# Allegro board ADALM-PLUTO Layout.brd (continued)
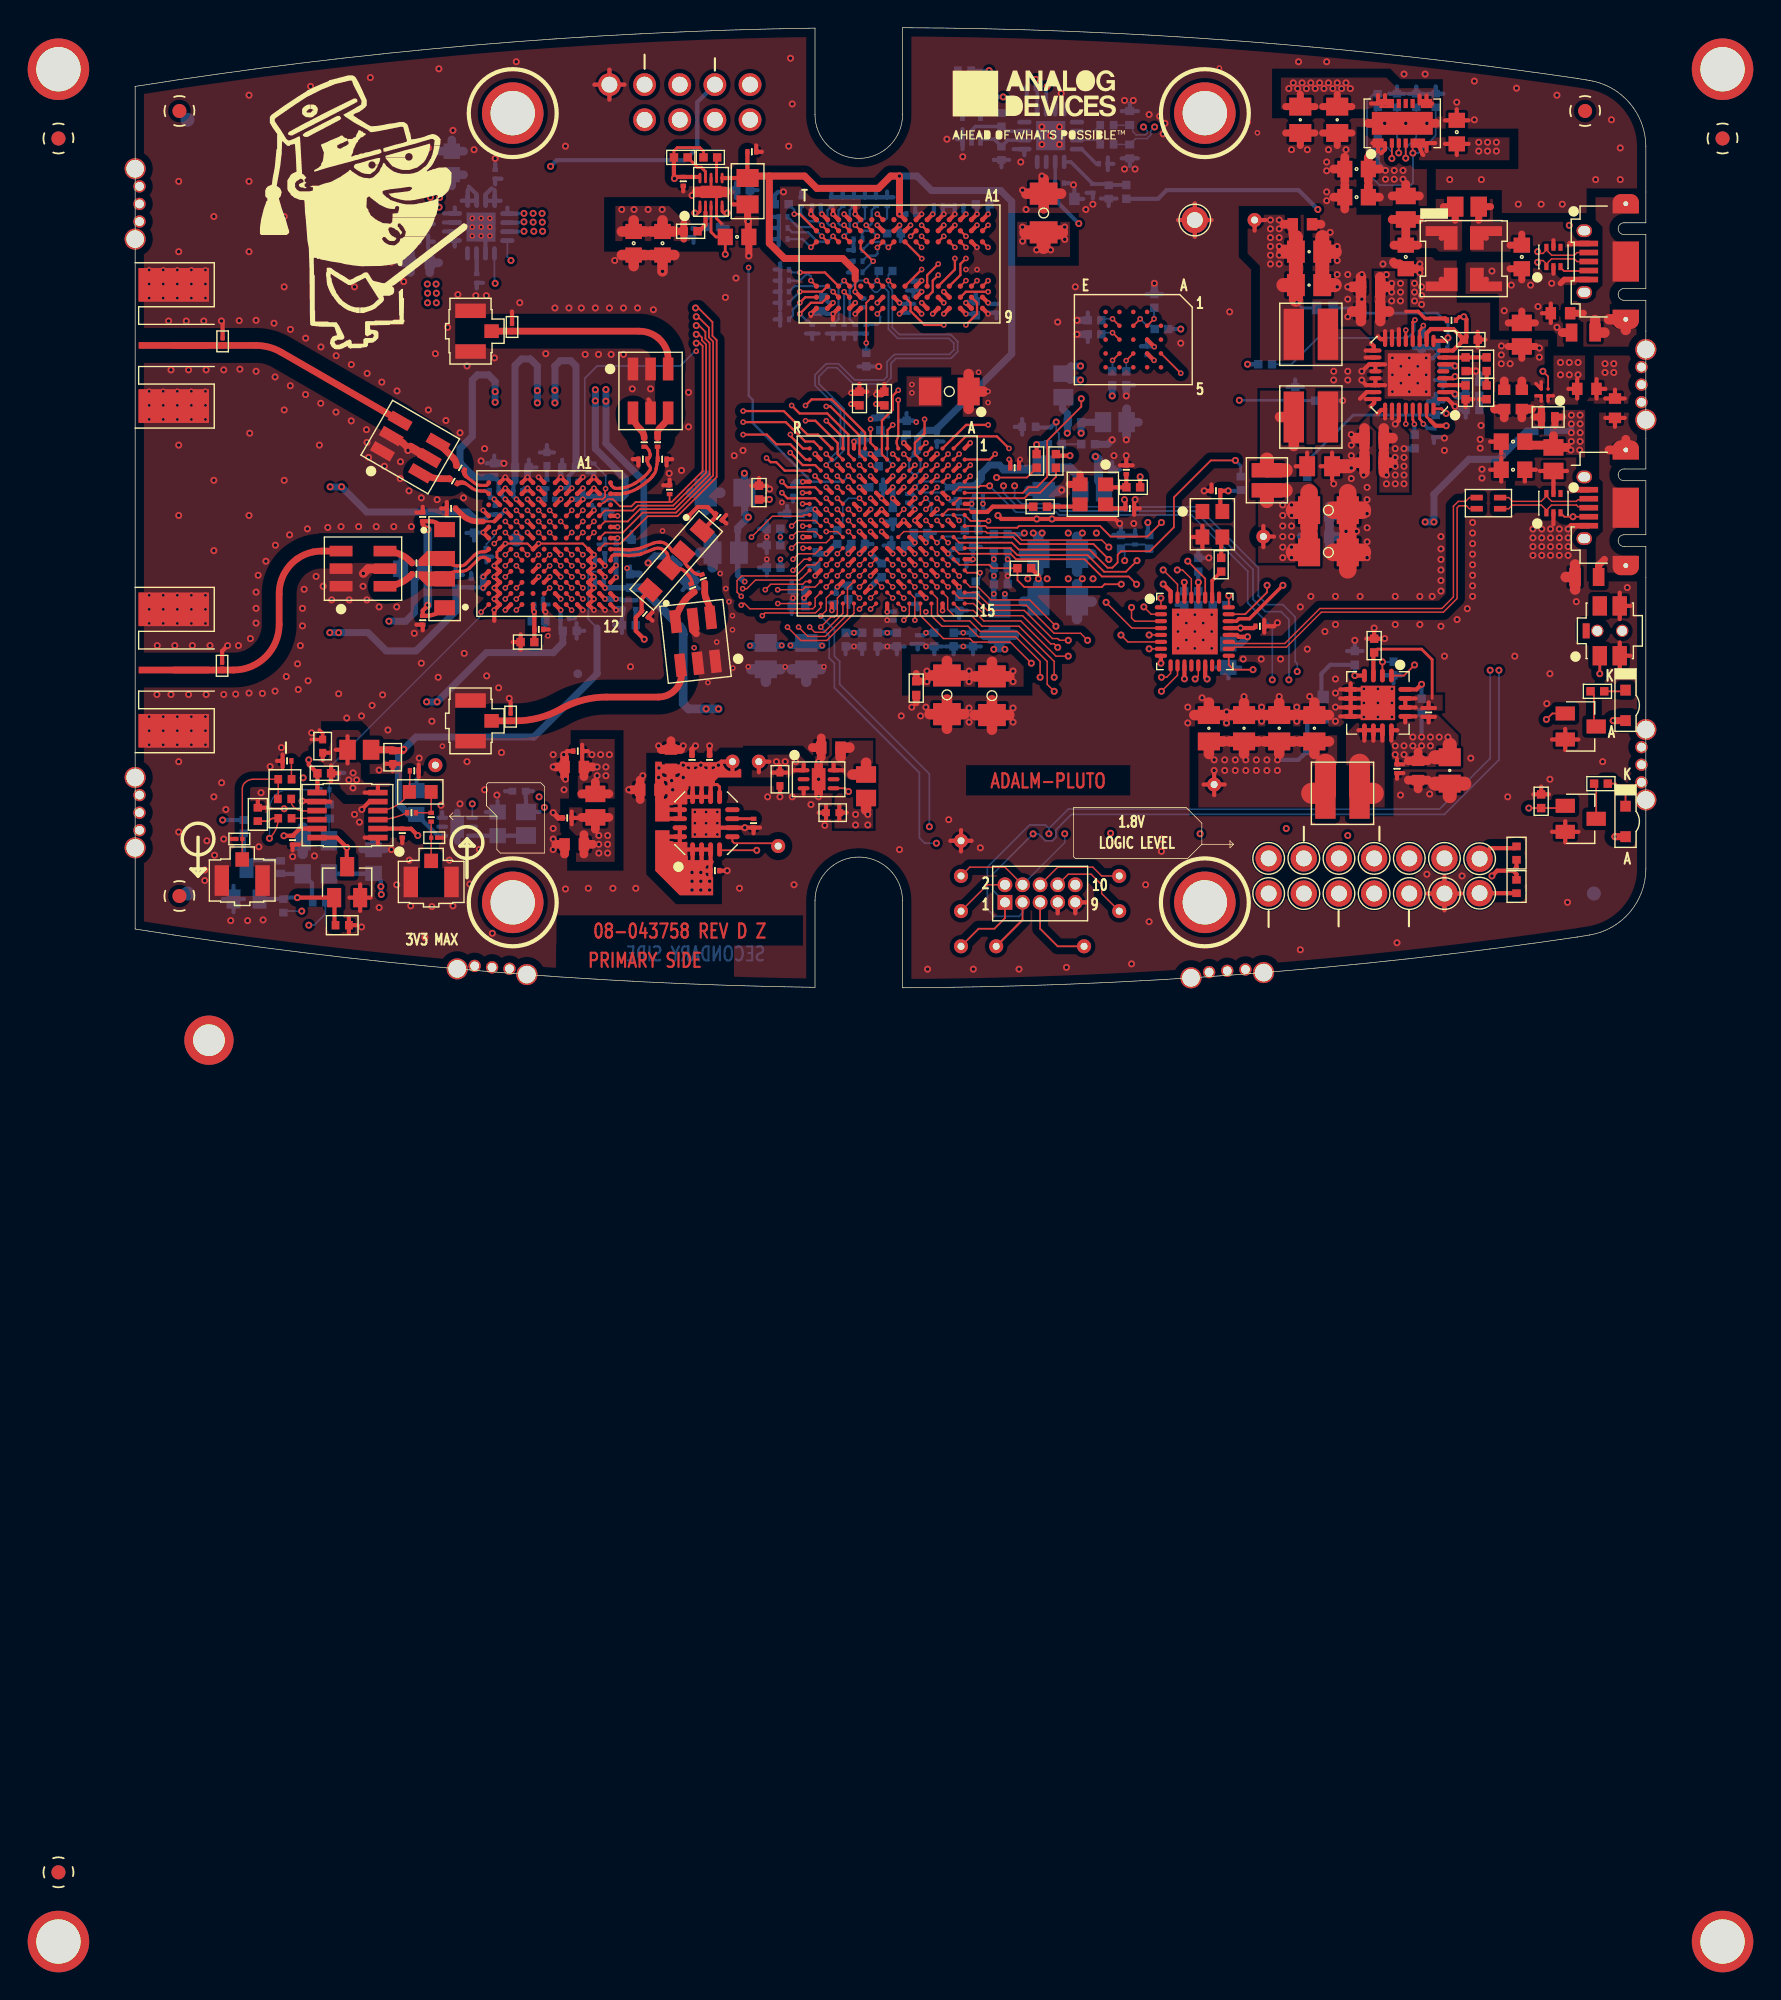
[diagram p0: board, top side]
## Routing (per net, layer and track width the routed paths; a pad name or vN(x,y) marks a point on that pad's centre or on a via; arc(x,y) is an arc through that point) (continued)
  BOTTOM w0.165: v2(51.22,51.07) 50.82,50.67 50.82,48.28 R28.1
DDR3_A13: length 30.8
  TOP w0.165: U2.T3 48.82,53.47 v2(48.82,53.47) ; U4.K2 52.33,38.55 52.33,39.89 50.23,41.98 v2(49.93,41.98)
  L5_SIG w0.165: v2(49.93,41.98) 48.83,40.88 48.83,40.15 47.83,39.15 46.72,39.15 46.23,39.65 46.23,45.35 46.63,45.75 46.63,46.15 46.23,46.55 46.23,46.83 46.42,47.03 46.63,47.03 46.83,47.23 46.83,47.5 46.63,47.7 46.42,47.7 46.23,47.9 46.23,48.18 46.42,48.37 46.63,48.37 46.83,48.57 46.83,48.85 46.63,49.05 46.42,49.05 46.23,49.24 46.23,49.52 46.42,49.72 46.63,49.72 46.83,49.92 46.83,50.2 46.63,50.39 46.35,50.39 46.23,50.52 46.23,51.06 48.03,52.86 48.2,52.86 v2(48.82,53.47)
  BOTTOM w0.165: R34.1 48.22,54.07 v2(48.82,53.47)
DDR3_A14: length 35.5
  TOP w0.165: v2(48.82,51.07) U2.T7 ; U4.K1 52.73,40.09 50.32,42.49 48.87,42.49 v2(48.43,42.05)
  L5_SIG w0.165: v2(48.82,51.07) 49.23,50.66 49.23,50.26 48.92,49.95 48.74,49.95 48.53,50.16 48.53,50.46 48.13,50.86 48.13,51.16 48.83,51.86 49.08,51.86 49.59,51.36 49.83,51.36 50.03,51.56 50.03,51.87 49.57,52.32 49.57,52.6 49.73,52.76 50.03,52.76 50.23,52.56 50.5,52.56 50.71,52.78 50.71,53.24 50.5,53.45 49.62,53.45 48.24,52.07 47.84,52.07 47.61,51.84 47.61,51.5 47.38,51.27 47.04,51.27 46.83,51.06 46.83,50.86 47.22,50.47 47.22,45.38 47.03,45.19 46.82,45.19 46.63,45 46.63,44.72 46.82,44.52 47.03,44.52 47.23,44.32 47.23,44.04 47.03,43.85 46.82,43.85 46.63,43.65 46.63,42.55 46.79,42.39 47.07,42.39 47.43,42.75 48.3,42.75 48.43,42.63 v2(48.43,42.05)
  BOTTOM w0.165: R29.1 48.02,51.07 48.46,51.51 48.69,51.51 48.82,51.39 v2(48.82,51.07)
DDR3_BA0: length 34
  TOP w0.165: U2.M2 v2(52.02,55.07) ; U4.M6 v2(50.73,35.35)
  L5_SIG w0.165: v2(52.02,55.07) 52.58,55.63 52.58,57.58 52.77,57.78 53.02,57.78 53.22,57.57 53.22,53.15 53.39,52.98 53.64,52.98 53.87,52.75 53.87,52.3 53.57,51.99 52.14,51.99 51.84,51.69 51.84,50.74 51.62,50.52 51.62,50.04 50.93,49.36 50.93,48.28 50.82,48.17 50.82,44.33 50.6,44.11 50.13,44.11 49.93,43.92 49.93,43.64 50.13,43.44 50.93,43.44 51.13,43.24 51.13,39.55 51.93,38.75 51.93,35.94 51.73,35.75 51.13,35.75 v2(50.73,35.35)
  BOTTOM w0.165: v2(52.02,55.07) 52.32,55.37 52.52,55.37 52.72,55.57 R35.1
DDR3_BA1: length 30.5
  TOP w0.165: U4.R1 48.25,38.95 47.34,39.86 v2(47.34,39.96) ; v2(51.22,50.27) U2.N8
  L6_SIG w0.165: v2(47.34,39.96) 47.34,40.34 47.14,40.53 46.28,40.53 46.11,40.36 46.11,37.76 46.67,37.2 47.05,37.2 47.33,37.47 47.33,37.95 48.23,38.85 48.23,39.57 48.51,39.86 49.11,39.86 49.53,40.27 49.53,42.33 49.33,42.52 47.44,42.52 47.21,42.75 47.21,42.97 47.44,43.2 47.83,43.2 48,43.36 48,43.68 47.76,43.91 47.34,43.91 47.11,44.14 47.11,44.36 47.34,44.59 47.76,44.59 48.13,44.95 48.13,45.78 50,47.65 50.8,47.65 51.22,48.07 v2(51.22,50.27)
  BOTTOM w0.165: R30.1 51.22,47.89 v2(51.22,50.27)
DDR3_BA2: length 28.7
  TOP w0.165: v2(53.32,52.47) 52.42,53.37 U2.M3 ; U4.N6 v2(49.93,35.35)
  L6_SIG w0.165: v2(49.93,35.35) 50.33,35.75 50.98,35.75 51.13,35.9 51.13,36.38 50.97,36.55 50.57,36.55 50.33,36.78 50.33,38.97 51.02,39.66 51.41,39.66 51.72,39.96 51.72,40.86 51.32,41.26 51.32,43.66 50.63,44.35 50.33,44.35 49.93,43.95 49.63,43.95 49.43,44.15 49.43,45.18 50.7,46.45 52.13,46.45 52.33,46.65 52.33,47.15 53.21,48.04 53.21,51.36 54.02,52.17 54.02,52.57 53.82,52.76 53.61,52.76 v2(53.32,52.47)
  BOTTOM w0.165: v2(53.32,52.47) 52.54,51.69 R36.1
DDR3_CAS#: length 28.5
  TOP w0.165: v2(53.62,53.46) 54.02,53.86 U2.K3 ; v2(48.21,35.75) U4.R5
  L6_SIG w0.165: v2(53.62,53.46) 52.82,52.66 52.82,51.74 52.22,51.14 52.22,50.87 52.73,50.36 52.73,48.28 51.32,46.87 50.52,46.87 49.01,45.36 49.01,43.67 49.22,43.46 50.52,43.46 50.83,43.15 50.83,40.17 49.53,38.87 49.53,37.8 49.36,37.64 48.81,37.64 48.65,37.47 48.65,36.43 48.93,36.15 49.3,36.15 49.43,36.02 49.43,35.45 49.16,35.18 48.78,35.18 v2(48.21,35.75)
  BOTTOM w0.165: R32.1 52.94,52.87 53.49,52.87 53.63,53.01 53.63,53.45 v2(53.62,53.46)
DDR3_CK_N: length 32.4
  TOP w0.127: U2.K7 54.02,50.67 v2(53.61,51.07) ; U4.N2 v2(49.93,38.55)
  BOTTOM w0.127: v2(49.93,38.55) 50.18,38.3 50.3,38.3 50.95,38.95 50.95,41.66 49.12,43.5 49.12,44.26 49.92,45.06 50.81,45.06 51.99,43.89 54.06,43.89 54.32,44.15 54.32,45.21 54.85,45.74 58.82,45.74 59.14,46.06 59.14,46.55 58.79,46.9 55.09,46.9 54.42,47.57 54.42,50.26 54.12,50.56 53.94,50.56 53.61,50.23 53.43,50.23 53.22,50.44 53.22,50.68 v2(53.61,51.07) 53.61,51.66 R142.2
DDR3_CK_P: length 31.5
  TOP w0.127: U2.J7 v2(54.42,51.07) ; U4.N3 v2(49.93,37.75)
  BOTTOM w0.127: R142.1 54.42,51.47 v2(54.42,51.07) 54.42,50.66 54.7,50.38 54.7,47.69 55.21,47.18 58.91,47.18 59.42,46.66 59.42,45.94 58.94,45.46 54.97,45.46 54.6,45.09 54.6,44.03 54.18,43.61 51.87,43.61 50.7,44.78 50.03,44.78 49.4,44.15 49.4,43.62 51.23,41.78 51.23,38.84 50.41,38.02 50.2,38.02 v2(49.93,37.75)
DDR3_CKE: length 34.9
  TOP w0.165: v2(53.62,48.67) U2.K9 ; U4.L3 v2(51.53,37.75)
  L6_SIG w0.165: v2(51.53,37.75) U4.L3 53.4,37.35 53.63,37.58 53.63,37.93 53.41,38.15 52.83,38.15 52.64,38.35 51.03,38.35 50.86,38.52 50.86,38.79 51.02,38.96 53.4,38.96 53.64,39.2 53.64,39.58 53.38,39.85 52.33,39.85 52.13,40.04 52.13,40.32 52.33,40.52 52.53,40.52 52.73,40.72 52.73,41.01 52.53,41.21 52.13,41.21 51.93,41.4 51.93,41.68 52.13,41.88 53,41.88 53.13,42.01 53.13,42.42 53,42.55 52.33,42.55 52.13,42.75 52.13,43.05 52.3,43.22 53.28,43.22 53.43,43.38 53.43,43.75 53.28,43.9 51.73,43.9 51.53,44.09 51.53,44.37 51.73,44.57 52.93,44.57 53.13,44.77 53.13,45.05 52.93,45.24 51.32,45.24 51.03,44.95 50.73,44.95 50.53,45.15 50.53,45.45 50.99,45.92 53.29,45.92 53.62,46.24 v2(53.62,48.67)
  BOTTOM w0.165: v2(53.62,48.67) 53.82,48.47 53.82,48.07 53.63,47.88 R38.1
DDR3_CS#: length 29.4
  TOP w0.165: U2.L2 v2(52.82,55.07) ; v2(43.92,39.95) 45.63,39.95 46.32,39.25 47.33,39.25 48.44,38.15 U4.R2
  L6_SIG w0.165: v2(52.82,55.07) 52.23,54.67 51.01,54.67 50.82,54.48 50.82,53.78 48.11,51.07 46.31,51.07 42.92,47.68 42.92,40.95 v2(43.92,39.95)
  BOTTOM w0.165: v2(52.82,55.07) 53.09,55.07 53.22,55.2 53.22,56.15 R39.1
DDR3_DM0: length 26.5
  TOP w0.165: v2(59.22,52.67) 59.22,51.87 U2.E7 ; U4.B1 60.01,39.82 62.25,39.82 v2(63.13,38.95)
  L6_SIG w0.165: v2(59.22,52.67) 59.62,52.27 62.63,52.27 63.52,51.37 63.52,50.49 63.2,50.16 63.2,49.89 63.4,49.69 63.68,49.69 63.9,49.91 64.18,49.91 64.53,49.56 64.53,40.35 v2(63.13,38.95)
DDR3_DM1: length 23.1
  TOP w0.165: v2(59.22,53.47) U2.D3 ; U4.D3 v2(57.93,37.75)
  L5_SIG w0.165: v2(59.22,53.47) 58.52,52.78 58.52,51.05 58.02,50.54 58.02,48.16 55.63,45.78 55.63,42.35 54.23,40.95 54.23,37.55 54.42,37.35 57.53,37.35 v2(57.93,37.75)
DDR3_DQ0: length 28.4
  TOP w0.165: v2(58.42,54.27) 58.42,54.27 U2.E3 ; U4.D4 v2(57.93,36.95)
  L6_SIG w0.165: v2(57.93,36.95) 58.33,36.55 61.23,36.55 62.63,37.95 62.63,39.15 64.13,40.65 64.13,47.76 63.79,48.1 63.79,48.38 63.96,48.55 63.96,48.83 63.76,49.02 63.48,49.02 63.31,48.85 63.03,48.85 62.63,49.26 62.63,50.76 61.92,51.47 59.72,51.47 58.77,52.42 58.77,53.67 58.99,53.88 58.99,54.09 58.81,54.27 v2(58.42,54.27)
DDR3_DQ1: length 24.7
  TOP w0.165: U4.A2 61.73,38.15 v2(62.13,38.55) ; v2(58.02,52.27) 57.22,51.47 U2.F7
  L6_SIG w0.165: v2(58.02,52.27) 59.62,50.67 61.92,50.67 62.12,50.47 62.12,48.6 62.29,48.43 62.77,48.43 62.93,48.26 62.93,47.93 62.77,47.77 62.24,47.77 62.07,47.6 62.07,47.27 62.24,47.11 63.47,47.11 63.63,46.94 63.63,40.97 63.32,40.66 62.72,40.66 62.13,40.07 v2(62.13,38.55)
DDR3_DQ2: length 23.2
  TOP w0.165: U2.F2 v2(56.82,55.07) ; U4.C4 v2(58.73,36.95)
  L6_SIG w0.165: v2(58.73,36.95) 58.33,37.35 56.94,37.35 56.73,37.56 56.73,39.05 55.13,40.65 55.13,41.15 54.73,41.55 54.73,43.15 54.41,43.47 54.41,49.87 54.82,50.27 54.82,53.68 55.81,54.67 56.42,54.67 v2(56.82,55.07)
DDR3_DQ3: length 28.4
  TOP w0.165: U2.F8 57.62,50.27 57.62,51.07 v2(58.02,51.47) ; v2(61.63,40.65) 60.03,40.65 U4.C1
  L6_SIG w0.165: v2(61.63,40.65) 62.23,41.25 62.23,41.69 62.4,41.86 62.97,41.86 63.14,42.02 63.14,42.35 62.97,42.52 62.4,42.52 62.23,42.68 62.23,43.01 62.4,43.18 62.97,43.18 63.14,43.34 63.14,43.67 62.97,43.84 62.2,43.84 62.03,44 62.03,44.33 62.2,44.5 62.97,44.5 63.14,44.66 63.14,44.99 62.97,45.16 61.62,45.16 61.42,45.36 61.42,45.66 61.65,45.89 62.89,45.89 63.13,46.13 63.13,46.43 62.93,46.63 61.35,46.63 60.53,47.45 60.53,48.01 60.69,48.18 60.98,48.18 61.15,48.34 61.15,48.67 60.98,48.84 60.69,48.84 60.53,49 60.53,49.86 60.33,50.06 59.33,50.06 58.02,51.37 v2(58.02,51.47)
DDR3_DQ4: length 21.8
  TOP w0.165: v2(56.83,52.66) 55.62,53.87 U2.H3 ; v2(59.53,36.95) U4.B4
  L6_SIG w0.165: v2(59.53,36.95) 59.93,37.35 60.93,37.35 61.34,37.76 61.34,39.34 60.53,40.15 60.53,45.05 60.22,45.37 59.82,45.37 59.52,45.67 59.52,46.06 58.02,47.57 58.02,50.77 57.62,51.17 57.62,52.47 57.43,52.66 v2(56.83,52.66)
DDR3_DQ5: length 22.8
  TOP w0.165: v2(60.33,36.95) U4.A4 ; v2(58.42,47.87) 57.02,47.87 56.02,48.87 56.02,49.47 U2.H8
  L6_SIG w0.165: v2(60.33,36.95) 61.03,36.95 61.73,37.65 61.73,39.65 61.03,40.35 61.03,40.99 61.19,41.16 61.52,41.16 61.69,41.32 61.69,41.65 61.52,41.82 61.19,41.82 61.03,41.98 61.03,43.93 61.19,44.1 61.52,44.1 61.69,44.26 61.69,44.59 61.52,44.76 61.19,44.76 61.03,44.92 61.03,45.26 60.69,45.6 60.69,45.83 60.92,46.07 60.92,46.3 60.69,46.54 60.45,46.54 60.22,46.3 59.99,46.3 59.02,47.27 59.02,47.47 59.47,47.91 59.47,48.52 59.32,48.67 58.96,48.67 58.82,48.52 58.82,48.27 v2(58.42,47.87)
DDR3_DQ6: length 23.9
  TOP w0.165: U4.C3 v2(58.73,37.75) ; U2.G2 v2(56.02,54.27)
  L6_SIG w0.165: v2(58.73,37.75) 58.33,38.15 57.63,38.15 57.53,38.26 57.53,39.51 57.52,39.52 57.52,39.86 57.12,40.26 56.22,40.26 55.63,40.85 55.63,43.43 55.31,43.76 54.94,43.76 54.81,43.89 54.81,44.29 55.01,44.49 55.62,44.49 55.81,44.69 55.81,44.97 55.62,45.16 55.01,45.16 54.81,45.36 54.81,45.64 55.01,45.84 55.22,45.84 55.41,46.03 55.41,46.31 55.22,46.51 55.01,46.51 54.81,46.71 54.81,46.99 55.01,47.18 55.22,47.18 55.41,47.38 55.41,47.77 55.22,47.97 55.02,47.97 54.81,48.17 54.81,49.67 55.23,50.09 55.23,53.49 v2(56.02,54.27)
DDR3_DQ7: length 21.8
  TOP w0.165: U2.H7 55.62,50.67 v2(56.82,51.87) ; U4.A3 v2(60.34,37.75)
  L6_SIG w0.165: v2(56.82,51.87) 57.22,51.47 57.22,50.88 57.52,50.57 57.52,49.37 57.22,49.07 57.22,48.21 57.09,48.09 56.94,48.09 56.72,47.87 56.72,47.57 56.88,47.41 57.47,47.41 57.73,47.15 57.73,46.06 57.93,45.85 58.11,45.85 58.43,46.17 58.71,46.17 58.91,45.97 58.91,45.69 58.59,45.38 58.59,45.1 59.53,44.16 59.53,42.88 59.73,42.69 59.83,42.69 60.03,42.49 60.03,42.21 59.83,42.01 59.73,42.01 59.53,41.82 59.53,41.54 59.73,41.34 59.83,41.34 60.03,41.14 60.03,40.86 59.83,40.67 59.73,40.67 59.53,40.47 59.53,39.45 60.83,38.15 60.83,37.85 60.73,37.75 v2(60.34,37.75)
DDR3_DQ8: length 28.2
  TOP w0.165: v2(60.02,52.67) 59.62,52.27 59.62,51.47 U2.D7 ; v2(57.13,39.35) 57.13,39.35 56.73,38.95 U4.E1
  L5_SIG w0.165: v2(57.13,39.35) 57.54,39.76 62.12,39.76 64.22,41.86 64.22,50.67 64.02,50.87 63.62,50.87 63.44,50.68 63.11,50.68 62.92,50.87 62.92,51.13 63.35,51.56 63.35,51.94 62.63,52.66 61.5,52.66 61.23,52.38 61.23,51.71 60.99,51.47 60.62,51.47 60.42,51.67 60.42,52.27 v2(60.02,52.67)
DDR3_DQ9: length 25.8
  TOP w0.165: v2(57.13,38.55) U4.D1 ; v2(60.02,53.47) U2.C3
  L5_SIG w0.165: v2(60.02,53.47) 60.43,53.06 61.91,53.06 62.22,53.37 62.52,53.37 64.72,51.17 64.72,50.35 64.62,50.25 64.62,49.89 64.92,49.59 64.92,41.96 62.32,39.36 61.14,39.36 60.63,38.85 60.03,38.85 59.83,39.05 57.63,39.05 v2(57.13,38.55)
DDR3_DQ10: length 28.6
  TOP w0.165: v2(61.62,50.26) 60.01,50.26 U2.C8 ; U4.E2 56.33,38.55 56.33,39.35 57.03,40.05 v2(57.03,41.05)
  L5_SIG w0.165: v2(61.62,50.26) 62.12,49.77 62.12,48.67 62.34,48.45 63.24,48.45 63.42,48.27 63.42,47.04 63.22,46.85 62.82,46.85 62.62,46.65 62.62,46.37 62.82,46.17 63.22,46.17 63.42,45.98 63.42,45.7 63.22,45.5 63.02,45.5 62.82,45.3 62.82,45.02 63.34,44.51 63.34,44.18 62.46,43.3 62.46,42.92 63.14,42.25 63.14,41.98 62.54,41.39 62.25,41.39 62.02,41.62 62.02,42.52 61.88,42.66 61.32,42.66 61.12,42.46 61.12,41.86 61.52,41.46 61.52,41.24 61.03,40.75 60.44,40.75 60.22,40.96 59.82,40.96 59.61,40.75 58.76,40.75 58.63,40.88 58.63,41.55 58.13,42.05 57.73,42.05 57.33,41.65 57.33,41.35 v2(57.03,41.05)
DDR3_DQ11: length 27
  TOP w0.165: v2(57.13,37.75) U4.E3 ; v2(60.02,54.27) U2.C2
  L5_SIG w0.165: v2(60.02,54.27) 62.32,54.27 65.32,51.27 65.32,41.76 62.51,38.95 61.41,38.95 60.61,38.15 57.53,38.15 v2(57.13,37.75)
DDR3_DQ12: length 29.5
  TOP w0.165: v2(61.62,51.07) U2.A7 ; v2(56.33,37.75) U4.F3
  L5_SIG w0.165: v2(56.33,37.75) 56.33,39.36 57.53,40.56 57.53,41.05 57.73,41.25 57.97,41.25 58.13,41.09 58.13,40.42 58.39,40.16 61.92,40.16 63.82,42.07 63.82,42.56 63.6,42.78 63.32,42.78 63.12,42.98 63.12,43.26 63.32,43.46 63.61,43.46 63.82,43.66 63.82,48.77 63.65,48.94 62.82,48.94 62.62,49.14 62.62,49.42 62.82,49.61 63.6,49.61 63.82,49.84 63.82,50.07 63.59,50.3 62.39,50.3 62.19,50.5 62.19,50.94 62.72,51.47 62.72,51.78 62.23,52.26 61.83,52.26 61.62,52.05 v2(61.62,51.07)
DDR3_DQ13: length 28.8
  TOP w0.165: v2(61.62,55.07) U2.A2 ; v2(55.13,42.45) 55.13,39.85 55.01,39.49 55.01,39.31 U4.G1
  L5_SIG w0.165: v2(61.62,55.07) 61.22,55.47 55.02,55.47 54.62,55.07 54.62,54.74 55.03,54.32 55.03,50.69 54.82,50.47 54.42,50.47 54.13,50.18 54.13,47.96 54.34,47.75 55.33,47.75 55.61,47.47 55.61,47.16 55.32,46.86 54.11,46.86 53.93,46.68 53.93,45.85 54.22,45.56 54.22,42.47 54.59,42.09 54.77,42.09 v2(55.13,42.45)
DDR3_DQ14: length 28.5
  TOP w0.165: v2(54.73,40.65) 54.35,40.27 54.35,38.97 U4.H1 ; v2(60.02,47.87) 60.82,48.67 60.82,49.47 U2.B8
  L5_SIG w0.165: v2(54.73,40.65) 54.73,40.95 56.62,42.84 56.62,43.17 56.82,43.37 57.15,43.37 57.32,43.54 57.32,43.77 57.11,43.97 56.26,43.97 56.03,44.2 56.03,44.52 56.26,44.75 58.52,44.75 58.72,44.94 58.72,45.22 58.47,45.47 56.77,45.47 56.54,45.7 56.54,45.93 56.77,46.17 57.33,46.17 57.53,46.37 57.53,47.17 57.72,47.37 58.02,47.37 58.22,47.17 58.22,46.37 58.42,46.17 58.62,46.17 58.82,46.37 58.82,50.17 58.98,50.33 59.26,50.33 59.42,50.17 59.42,47.7 59.54,47.58 59.72,47.58 v2(60.02,47.87)
DDR3_DQ15: length 31.7
  TOP w0.165: U4.H2 53.95,38.53 53.95,40.97 54.73,41.75 54.73,42.75 v2(55.13,43.15) ; v2(61.62,53.47) U2.A3
  L5_SIG w0.165: v2(55.13,43.15) 54.63,43.65 54.63,46.08 54.82,46.27 55.42,46.27 56.42,47.27 56.42,47.67 55.82,48.27 54.84,48.27 54.63,48.48 54.63,49.58 55,49.96 55.53,49.96 56.41,49.07 57.12,49.07 57.32,49.27 57.32,51.27 57.12,51.47 56.42,51.47 55.43,52.46 55.43,54.46 55.64,54.67 58.91,54.67 59.71,53.87 U2.A3 v2(61.62,53.47)
DDR3_DQS0_N: length 24.1
  TOP w0.127: U2.G3 56.82,53.47 v2(56.82,53.47) ; U4.B2 v2(59.53,38.55)
  L6_SIG w0.14: v2(56.82,53.47) 56.47,53.47 56.22,53.22 56.22,46.66 57.3,45.58 57.3,45.05 56.58,44.33 56.58,44.15 56.95,43.78 57.19,43.78 57.92,44.52 58.36,44.52 59.05,43.84 59.05,42.89 58.67,42.51 57.02,42.51 56.83,42.33 56.83,42.06 57.02,41.87 58.67,41.87 59.05,41.49 59.05,39.03 v2(59.53,38.55)
DDR3_DQS0_P: length 24.6
  TOP w0.127: U2.F3 v2(56.82,54.27) ; U4.C2 v2(58.73,38.55)
  L6_SIG w0.14: v2(58.73,38.55) 58.73,41.36 58.54,41.55 56.89,41.55 56.52,41.93 56.52,42.46 56.89,42.83 58.54,42.83 58.73,43.02 58.73,43.7 58.23,44.2 58.05,44.2 57.32,43.47 56.82,43.47 56.26,44.02 56.26,44.46 56.98,45.18 56.98,45.45 55.9,46.53 55.9,53.35 v2(56.82,54.27)
DDR3_DQS1_N: length 28.1
  TOP w0.127: v2(60.82,51.07) U2.B7 ; U4.F2 v2(55.53,38.55)
  L5_SIG w0.14: v2(60.82,51.07) 60.34,50.59 60.34,50.3 60.94,49.7 60.94,48.4 61.16,48.17 61.86,48.17 62.32,47.71 62.32,47.07 61.91,46.66 60.46,46.66 60.24,46.43 60.24,46.11 60.46,45.89 61.71,45.89 62.2,45.39 62.2,43.95 61.8,43.55 60.83,43.55 59.91,44.48 59.5,44.48 59.13,44.1 59.13,43.83 60.3,42.65 60.3,42.07 59.89,41.65 59.3,41.65 58.13,42.83 57.76,42.83 55.63,40.71 55.63,40.23 55.05,39.64 55.05,38.87 55.16,38.76 55.32,38.76 v2(55.53,38.55)
DDR3_DQS1_P: length 27.7
  TOP w0.127: U2.C7 v2(60.02,51.07) ; U4.G2 v2(54.73,38.55)
  L5_SIG w0.14: v2(60.02,51.07) 60.02,50.17 60.62,49.57 60.62,48.27 61.03,47.85 61.72,47.85 62.01,47.57 62.01,47.2 61.78,46.98 60.33,46.98 59.92,46.56 59.92,45.98 60.33,45.57 61.58,45.57 61.89,45.26 61.89,44.08 61.67,43.87 60.96,43.87 60.04,44.79 59.37,44.79 58.81,44.23 58.81,43.7 59.98,42.52 59.98,42.2 59.76,41.97 59.44,41.97 58.26,43.15 57.63,43.15 55.31,40.84 55.31,40.36 54.73,39.77 v2(54.73,38.55)
DDR3_ODT: length 36.8
  TOP w0.165: U2.K1 v2(53.62,55.87) ; U4.K3 v2(52.33,37.75)
  L5_SIG w0.165: v2(53.62,55.87) 53.61,55.87 53.61,57.07 53.9,57.36 58.04,57.36 58.34,57.06 58.34,56.76 58.09,56.51 54.98,56.51 54.02,55.55 54.02,53.16 54.33,52.85 54.33,51.94 53.97,51.58 52.4,51.58 52.2,51.38 52.2,50.79 52.73,50.26 52.73,49.46 52.34,49.07 51.55,49.07 51.32,48.84 51.32,48.47 51.63,48.16 51.63,47.86 51.23,47.46 51.23,44.15 52.13,43.25 52.13,41.86 51.93,41.66 51.73,41.66 51.53,41.46 51.53,40.15 51.73,39.95 52.13,39.95 52.33,39.75 v2(52.33,37.75)
  BOTTOM w0.165: R33.1 54.32,55.6 54.19,55.47 54.01,55.47 v2(53.62,55.87)
DDR3_RAS#: length 28.5
  TOP w0.165: v2(48.22,34.95) 48.73,34.95 U4.R6 ; U2.J3 v2(54.42,53.47)
  L6_SIG w0.165: v2(54.42,53.47) 54.02,53.87 53.32,53.87 52.42,52.97 52.42,51.94 51.62,51.15 51.62,47.87 51.02,47.27 50.22,47.27 48.53,45.58 48.53,43.25 48.82,42.96 49.62,42.96 50.33,42.25 50.33,40.38 47.72,37.76 47.72,35.45 v2(48.22,34.95)
  BOTTOM w0.165: v2(54.42,53.47) 54.03,53.86 53.13,53.86 R37.1
DDR3_RST#: length 29.2
  TOP w0.165: U4.L4 v2(51.53,36.95) ; v2(47.62,55.87) 48.02,55.87 U2.T2
  L5_SIG w0.165: v2(47.62,55.87) 47.62,54.96 44.68,52.02 v2(44.32,52.02)
  BOTTOM w0.165: v2(47.62,55.87) 47.62,56.18 R42.1 ; v2(44.32,52.02) 44.32,42.76 44.61,42.46 44.61,40.79 48.85,36.55 51.13,36.55 v2(51.53,36.95)
DDR3_WE#: length 28.9
  TOP w0.165: v2(45.61,38.26) 45.91,37.96 46.31,37.96 46.93,37.35 U4.R3 ; U2.L3 v2(53.62,54.27)
  L6_SIG w0.165: v2(45.61,38.26) 45.61,44.96 45.4,45.17 44.91,45.17 44.71,45.37 44.71,46.77 44.91,46.97 46.01,46.97 46.31,47.27 46.71,47.27 47.01,46.97 47.51,46.97 48.41,47.87 48.41,49.57 49.91,51.07 49.91,51.77 51.6,53.46 51.93,53.46 53.03,54.56 53.33,54.56 v2(53.62,54.27)
  BOTTOM w0.165: v2(53.62,54.27) 53.22,54.67 52.66,54.67 52.54,54.54 R31.1
EN_DAT_USB: length 17
  TOP w0.127: v1(92.31,60.28) 92.29,60.3 U8.6
  BOTTOM w0.127: R72.1 93.95,61.54 92.7,60.28 v1(92.31,60.28) 92.31,58.12 92.15,57.96 89.91,57.96 89,58.87 89,64.08 89.48,64.56 R71.2
EN_POW_USB: length 5.3
  TOP w0.127: v1(90.79,59.89) U8.3
  BOTTOM w0.127: v1(90.79,59.89) 90.79,60.36 R70.2 89.63,61.52 89.63,63.47 R71.1
FB0: length 5.9
  TOP w0.305: U3.4 v1(88.11,22.55)
  BOTTOM w0.305: v1(88.11,22.55) R2.2 86.35,23.33 85.7,22.68 85.7,21.13 R4.1
FB_1P8V: length 13.7
  TOP w0.203: U6.32 94.37,41.82 v1(94.71,41.48)
  BOTTOM w0.203: R64.1 84.68,38.05 88,41.36 R65.2 94.07,41.48 v1(94.71,41.48)
FB_1P35V: length 11.7
  TOP w0.305: v1(94.84,46.94) 94.62,46.72 U6.9
  BOTTOM w0.203: R63.1 94.84,46.24 v1(94.84,46.94) 94.84,47.95 94.08,48.71 88.36,48.71 87.98,49.1 R62.2
IO_02_34_AD9361_CLKOUT: length 27.2
  TOP w0.102: U4.P8 49.13,33.75 47.83,33.75 v2(47.43,33.35) ; U5.J6 v2(27.55,32.88)
  L6_SIG w0.114: v2(47.43,33.35) 46.92,33.85 45.73,33.85 43.1,36.48 30.47,36.48 29.55,35.55 29.55,34.28 29.35,34.08 28.95,34.08 28.75,33.88 28.75,33.48 28.55,33.28 27.95,33.28 v2(27.55,32.88)
  BOTTOM w0.102: AD9361_CLKOUT.1 v2(27.55,32.88)
IO_02_34_AD9361_RST: length 31.6
  TOP w0.102: U4.P9 49.13,32.95 47.82,32.95 v2(47.43,32.55) ; U5.K5 v2(26.74,33.68)
  L5_SIG w0.114: v2(26.74,33.68) 27.14,34.08 27.14,36.39 28.68,37.93 29.57,37.93 31.21,39.57 40.87,39.57 46.33,34.11 47.34,34.11 47.83,33.63 47.83,32.95 v2(47.43,32.55)
IO_L01_34_FB_CLK: length 27.6
  TOP w0.102: U5.F10 v2(30.74,28.88) ; U4.P10 49.13,31.34 47.93,31.34 v2(47.53,30.95)
  L6_SIG w0.114: v2(47.53,30.95) 48.26,30.22 48.26,28.78 47.96,28.48 47.96,27.23 47.4,26.67 47.15,26.67 46.07,25.6 43.52,25.6 43.4,25.47 42.91,25.47 42.78,25.6 37.29,25.6 37.04,25.84 35.47,25.84 35.46,25.83 35.38,25.83 35.15,25.6 32.36,25.6 31.15,26.81 31.15,28.48 v2(30.74,28.88)
IO_L01_34_RX_D0: length 49.9
  TOP w0.102: v2(54.73,28.15) U4.H14 ; v2(26.74,28.08) U5.K11
  L5_SIG w0.114: v2(26.74,28.08) 26.34,27.68 26.34,26.82 26.2,26.68 26.03,26.68 25.88,26.54 25.88,26.33 26.03,26.19 26.57,26.19 26.77,25.98 26.77,25.71 26.62,25.57 26.15,25.57 26.01,25.42 26.01,25.22 26.15,25.07 26.62,25.07 26.77,24.93 26.77,24.46 29.69,21.54 29.96,21.54 30.11,21.68 30.11,22.03 30.25,22.17 30.46,22.17 30.6,22.03 30.6,21.68 30.75,21.54 30.95,21.54 31.1,21.68 31.1,22.03 31.24,22.17 31.45,22.17 31.59,22.03 31.59,21.68 31.74,21.54 31.94,21.54 32.09,21.68 32.09,22.03 32.23,22.17 32.44,22.17 32.59,22.03 32.59,21.68 32.73,21.54 32.94,21.54 33.08,21.68 33.08,22.03 33.23,22.17 33.43,22.17 33.58,22.03 33.58,21.68 33.72,21.54 33.93,21.54 34.07,21.68 34.07,22.03 34.22,22.17 34.42,22.17 34.57,22.03 34.57,21.68 34.71,21.54 34.92,21.54 35.06,21.68 35.06,22.03 35.21,22.17 35.41,22.17 35.56,22.03 35.56,21.68 35.7,21.54 36.16,21.54 36.3,21.39 36.3,20.67 36.45,20.52 36.65,20.52 36.8,20.67 36.8,21.4 36.94,21.54 37.18,21.54 37.56,21.16 39.6,21.16 39.95,20.8 43,20.8 43.39,20.41 51.56,20.41 54.83,23.69 54.83,27.65 54.73,27.75 v2(54.73,28.15)
IO_L01_34_RX_D1: length 49.3
  TOP w0.102: U5.J12 27.55,27.28 v2(27.54,27.28) ; v2(53.93,28.94) U4.J13
  L5_SIG w0.114: v2(53.93,28.94) 53.93,28.15 53.53,27.75 53.53,23.66 51.03,21.16 43.41,21.16 43.28,21.29 40.48,21.29 40.23,21.54 40.23,21.69 40.54,21.99 40.54,22.25 40.33,22.45 40.13,22.45 39.64,21.97 39.46,21.97 39.3,22.13 39.3,22.32 39.78,22.8 39.78,23.01 39.63,23.15 39.43,23.15 38.97,22.7 38.76,22.7 38.62,22.84 38.62,23.05 39.08,23.5 39.08,23.71 38.93,23.85 38.74,23.85 38.19,23.3 37.96,23.3 37.82,23.44 37.82,24.08 37.69,24.2 37.32,24.2 37.17,24.06 37.17,23.71 37.03,23.57 36.79,23.57 36.64,23.71 36.64,24.06 36.5,24.2 36.29,24.2 36.15,24.06 36.15,23.71 36.04,23.61 35.76,23.61 35.65,23.71 35.65,24.06 35.51,24.2 35.3,24.2 35.16,24.06 35.16,23.71 35.01,23.57 34.81,23.57 34.66,23.71 34.66,23.98 34.56,24.09 34.28,24.09 34.17,23.98 34.17,23.71 34.02,23.57 33.82,23.57 33.67,23.71 33.67,24.06 33.53,24.2 33.32,24.2 33.18,24.06 33.18,23.71 33.03,23.57 32.83,23.57 32.68,23.71 32.68,24.06 32.54,24.2 32.33,24.2 32.19,24.06 32.19,23.71 32.04,23.57 31.84,23.57 31.69,23.71 31.69,24.06 31.55,24.2 31.34,24.2 31.2,24.06 31.2,23.68 31.09,23.57 30.84,23.57 30.7,23.71 30.7,24.06 30.55,24.2 30.35,24.2 30.2,24.06 30.2,23.71 30.06,23.57 28.97,23.57 27.54,25 v2(27.54,27.28)
IO_L02_34_RX_D2: length 50.6
  TOP w0.102: v2(55.53,28.15) U4.G14 ; U5.K10 v2(26.74,28.88)
  L5_SIG w0.114: v2(55.53,28.15) 55.93,27.75 55.93,23.52 52.04,19.63 33.88,19.63 33.5,20.01 33.5,20.65 33.37,20.77 33.01,20.77 32.87,20.63 32.87,20.03 32.72,19.89 32.52,19.89 32.37,20.03 32.37,20.63 32.23,20.77 32.02,20.77 31.88,20.63 31.88,20.03 31.73,19.89 31.53,19.89 31.38,20.03 31.38,20.63 31.24,20.77 29.06,20.77 24.74,25.09 24.74,25.47 24.99,25.73 24.99,26.11 24.48,26.62 24.48,28.01 24.98,28.51 25.3,28.51 25.54,28.75 25.54,29.07 25.74,29.27 26.35,29.27 v2(26.74,28.88)
IO_L02_34_RX_D3: length 49.1
  TOP w0.102: U4.H13 v2(54.73,28.95) ; v2(27.54,28.07) U5.J11
  L5_SIG w0.114: v2(54.73,28.95) 54.23,28.45 54.23,27.95 53.93,27.65 53.93,23.42 51.28,20.77 43.41,20.77 43.14,21.05 40.24,21.05 39.77,21.51 38.66,21.51 38.25,21.92 38.25,22.68 38.05,22.88 37.79,22.88 37.59,22.68 37.59,22.07 37.44,21.92 37.23,21.92 37.08,22.07 37.08,22.83 36.93,22.98 36.63,22.98 36.45,22.81 36.45,22.1 36.27,21.92 36.09,21.92 35.94,22.06 35.94,22.41 35.8,22.55 35.29,22.55 35.14,22.7 35.14,23.04 35,23.19 34.79,23.19 34.65,23.04 34.65,22.7 34.5,22.55 34.3,22.55 34.15,22.7 34.15,23.04 34.01,23.19 33.8,23.19 33.66,23.04 33.66,22.7 33.51,22.55 33.31,22.55 33.16,22.7 33.16,23.04 33.02,23.19 32.81,23.19 32.67,23.04 32.67,22.7 32.52,22.55 32.32,22.55 32.17,22.7 32.17,23.04 32.03,23.19 31.87,23.19 31.68,23 31.68,22.7 31.53,22.55 31.33,22.55 31.18,22.7 31.18,23.04 31.04,23.19 30.83,23.19 30.69,23.04 30.69,22.7 30.54,22.55 30.34,22.55 30.19,22.7 30.19,23.04 30.05,23.19 29.84,23.19 29.7,23.04 29.7,22.7 29.55,22.55 29.31,22.55 27.15,24.71 27.15,27.68 v2(27.54,28.07)
IO_L03_34_RX_D4: length 51.7
  TOP w0.102: U4.G12 v2(55.53,29.75) ; U5.K9 v2(26.74,29.68)
  L5_SIG w0.114: v2(26.74,29.68) 26.35,30.07 24.93,30.07 24.23,29.37 24.23,25.09 29.94,19.38 52.42,19.38 56.73,23.68 56.73,27.35 55.93,28.15 55.93,29.14 55.73,29.35 55.6,29.35 55.53,29.42 v2(55.53,29.75)
IO_L03_34_RX_D5: length 50.6
  TOP w0.102: U5.J10 v2(27.55,28.88) ; U4.H12 v2(54.73,29.75)
  L5_SIG w0.114: v2(27.55,28.88) 27.54,28.88 27.14,28.47 25.74,28.47 25.5,28.23 25.5,25.09 29.44,21.16 33.74,21.16 33.89,21.01 33.89,20.28 34.03,20.14 34.24,20.14 34.38,20.28 34.38,21.01 34.53,21.16 34.73,21.16 34.88,21.01 34.88,20.28 35.02,20.14 35.23,20.14 35.37,20.28 35.37,21.01 35.52,21.16 35.79,21.16 35.91,21.03 35.91,20.27 36.04,20.14 36.93,20.14 37.56,20.77 39.6,20.77 39.81,20.56 42.86,20.56 43.41,20.01 51.79,20.01 55.13,23.35 55.13,29.35 v2(54.73,29.75)
IO_L04_34_RX_D6: length 55.1
  TOP w0.102: U5.K8 v2(26.74,30.48) ; U4.G11 v2(55.53,30.55)
  L5_SIG w0.114: v2(26.74,30.48) 26.29,30.93 25.37,30.93 23.98,29.54 23.98,24.84 29.69,19.12 52.8,19.12 57.53,23.85 57.53,27.39 57.27,27.65 57.03,27.65 56.73,27.95 56.73,29.15 56.53,29.35 56.13,29.35 55.93,29.55 55.93,30.15 v2(55.53,30.55)
